# Altium PCB volt_sensor_breakout.PcbDoc (part 1 of 2) (continued)
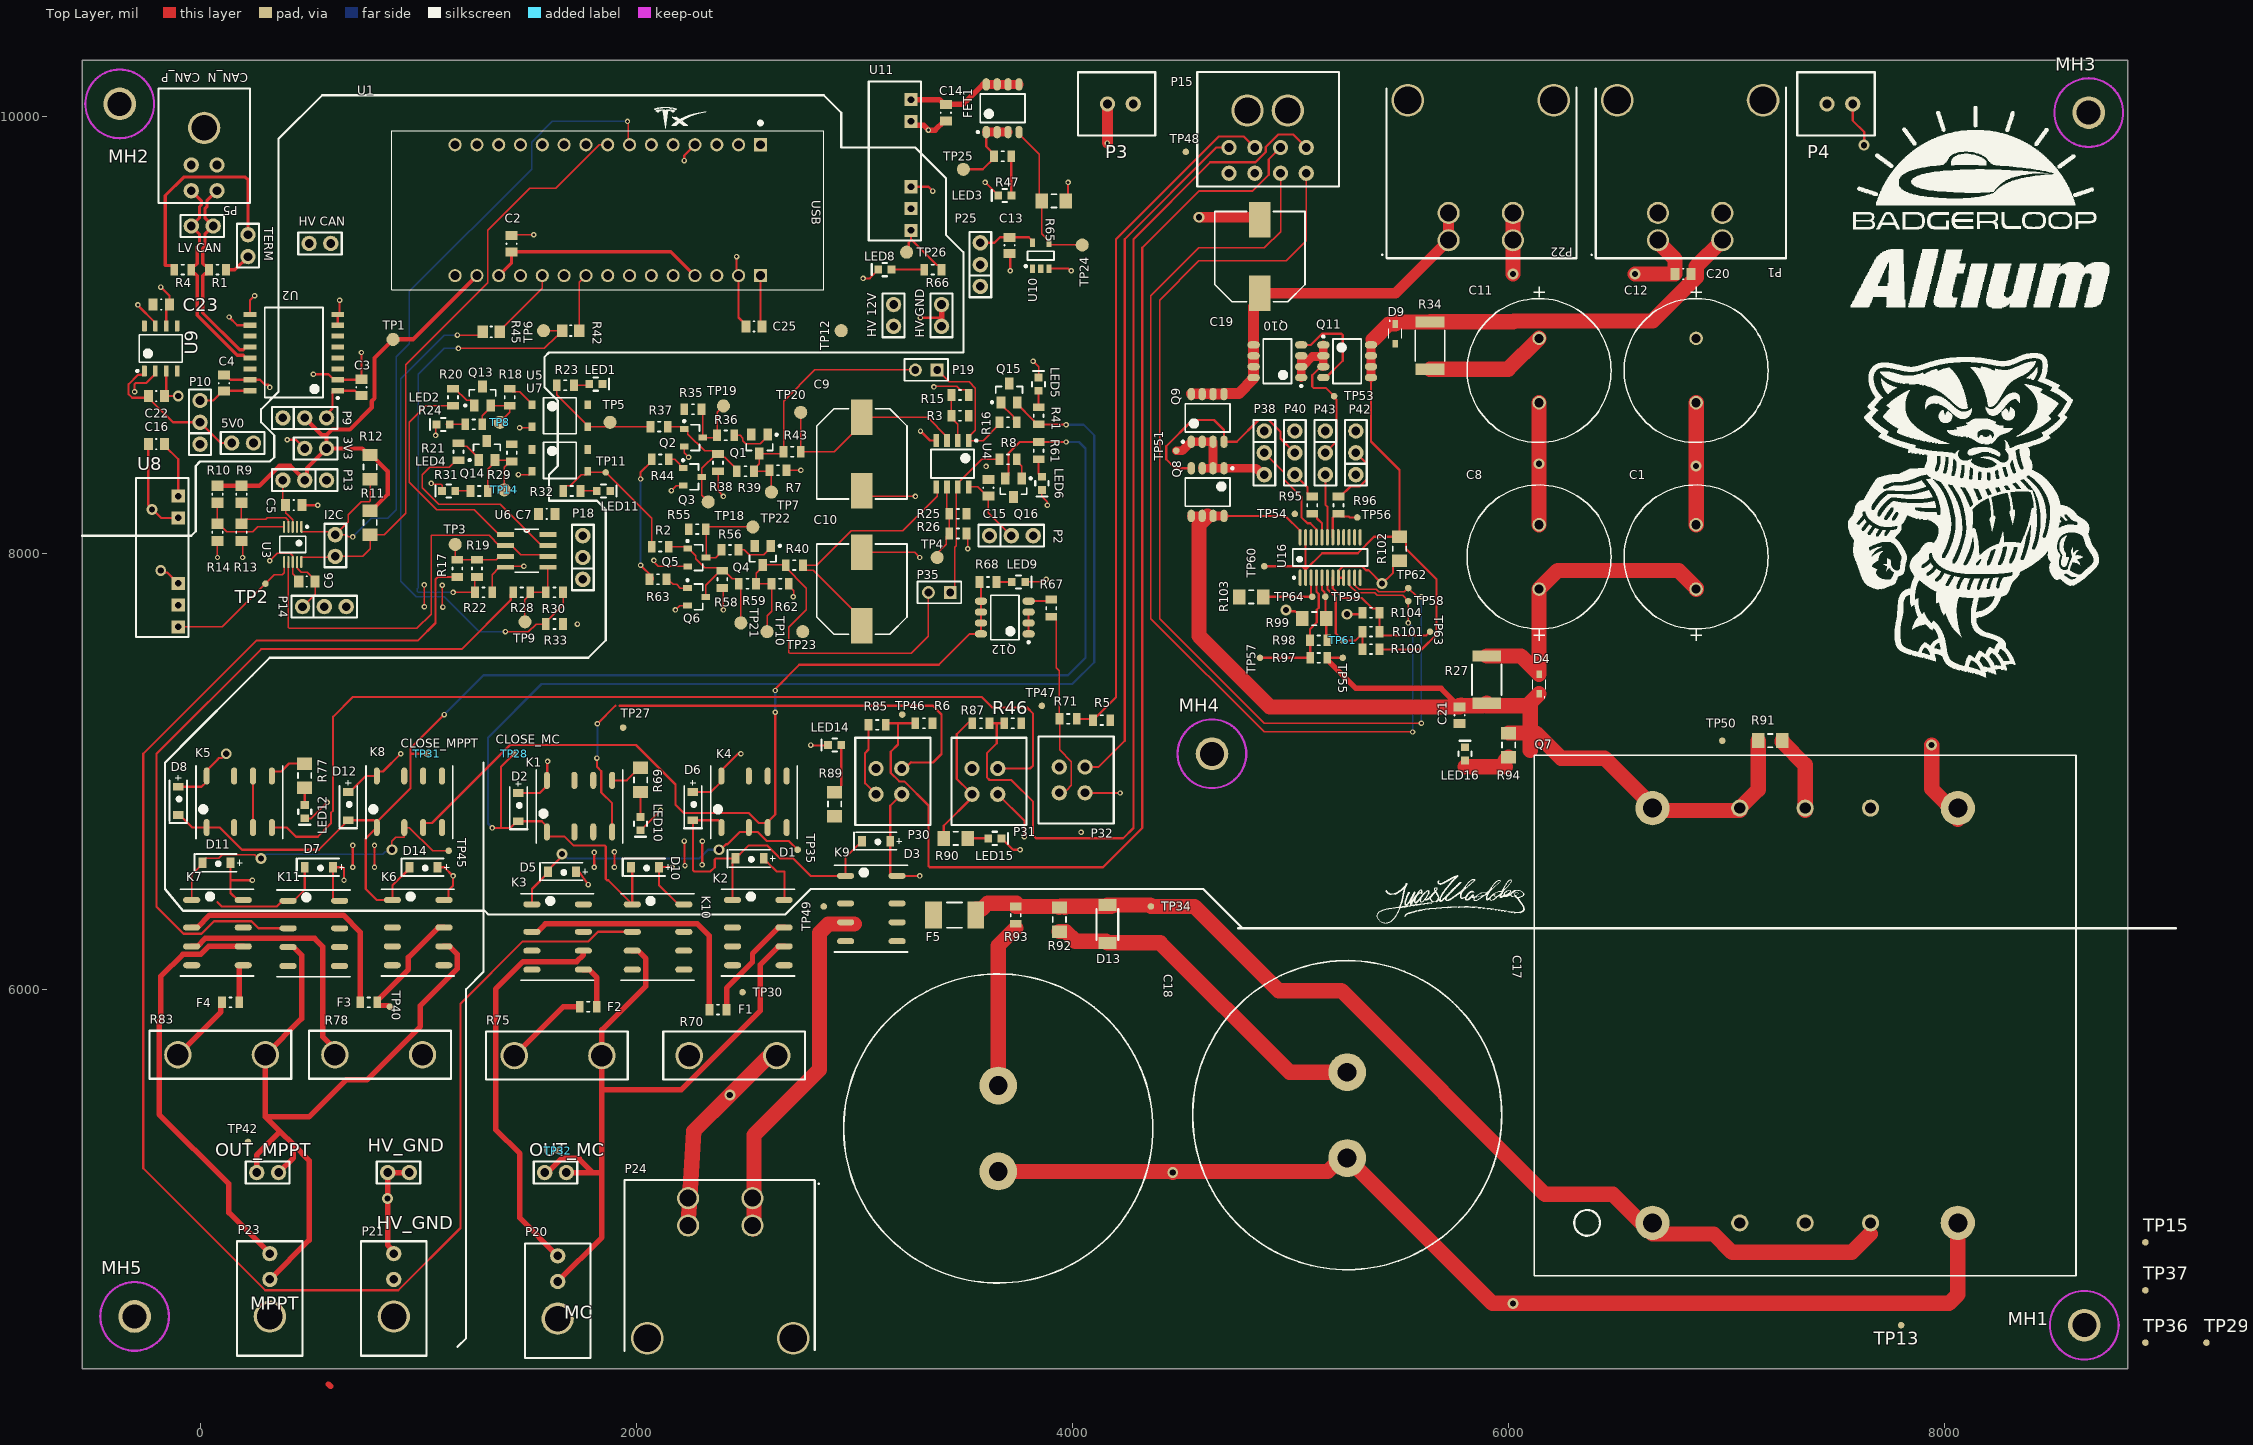
[diagram p0: Top Layer view]
## Part data (continued)
F5: Manufacturer=Bel, Supplier Part Number 1=507-2000-1-ND, Category=Fuses, ComponentLink1Description=https://datasheet.ciiva.com:443/pdfs/VipMasterIC/IC/BELF/BELF-S-A0001301144/BELF-S-A0001301144-1.pdf?src-supplier=IHS+Markit, ComponentLink1URL=https://datasheet.ciiva.com:443/pdfs/VipMasterIC/IC/BELF/BELF-S-A0001301144/BELF-S-A0001301144-1.pdf?src-supplier=IHS+Markit, ComponentLink2Description=http://www.belfuse.com/resources/CircuitProtection/datasheets/0679L%20Sep2016.pdf?src-supplier=Digi-Key, ComponentLink2URL=http://www.belfuse.com/resources/CircuitProtection/datasheets/0679L%20Sep2016.pdf?src-supplier=Digi-Key, ComponentLink3Description=https://www.belfuse.com/resources/CircuitProtection/datasheets/0679L%20Sep2016.pdf?src-supplier=Digi-Key, ComponentLink3URL=https://www.belfuse.com/resources/CircuitProtection/datasheets/0679L%20Sep2016.pdf?src-supplier=Digi-Key, Manufacturer Part Number=0679L9150-05, Pricing 1="1=0.44000, 5=0.42600, 10=0.41400, 50=0.34800, 100=0.28890, 250=0.26260, 500=0.22320, 1000=0.19695 (USD)", RoHS=Yes, Stock 1=24804, Supplier 1=Digi-Key
FET1: library part CMP-008-000012-3, "Transistor MOSFET P-Channel -60V ±11A 8-Pin SOP T/R", Transistor Type="P-channel MOSFET"
K1 K2 K3 K4 K5 K6 K7 K8 K10 K11: "Electromechanical Relay, DPDT, 140mW (Coil), 5A (Contact), 220VDC (Contact), Random, AC/DC Output", Coil Operate Voltage(DC)=9V, Coil Power=140mW, Coil Release Voltage(DC)=1.2V, Coil Resistance=1.029kR, Coil Voltage-Nom=12V, Contact AC Max Power Rating R Load=62.5VA@250VAC, Contact AC Max Rating R Load=5A@250VAC, Contact Current(AC)-Max=5A, Contact DC Max Power Rating R Load=60W@220VDC, Contact DC Max Rating R Load=5A@220VDC, Contact Resistance=50mR, Contact Voltage(AC)-Max=250V, Contact Voltage(DC)-Max=220V, Dielectric Strength Between Coil and Contacts=1500Vrms, Dielectric Strength Between Open Contacts=750Vrms, Insulation Resistance=1GR, Manufacturer="TE Connectivity", Manufacturer Part Number=IM06DGR, Supplier Part Number 1=PB1174CT-ND, Body Breadth=6inch, Body Height=5.65mm, Body Length or Diameter=10mm, Category="Power Relays", Coil/Input Supply Type=DC, ComponentLink1Description=https://datasheet.ciiva.com:443/pdfs/VipMasterIC/IC/TYEL/TYELS75403/TYELS75403-1.pdf?src-supplier=IHS+Markit, ComponentLink1URL=https://datasheet.ciiva.com:443/pdfs/VipMasterIC/IC/TYEL/TYELS75403/TYELS75403-1.pdf?src-supplier=IHS+Markit, ComponentLink2Description=https://datasheet.ciiva.com/1662/13778-1662593.pdf?src-supplier=Newark, ComponentLink2URL=https://datasheet.ciiva.com/1662/13778-1662593.pdf?src-supplier=Newark, ComponentLink3Description=https://datasheet.ciiva.com/1525/1717896-1525047.pdf?src-supplier=Element14, ComponentLink3URL=https://datasheet.ciiva.com/1525/1717896-1525047.pdf?src-supplier=Element14, ComponentLink4Description=https://datasheet.ciiva.com/1612/1717896-1612285.pdf?src-supplier=Farnell, ComponentLink4URL=https://datasheet.ciiva.com/1612/1717896-1612285.pdf?src-supplier=Farnell, ComponentLink5Description=https://datasheet.ciiva.com/30159/customerdrawing1462037-4a10-30159339.pdf?src-supplier=Onlinecomponents.com, ComponentLink5URL=https://datasheet.ciiva.com/30159/customerdrawing1462037-4a10-30159339.pdf?src-supplier=Onlinecomponents.com, ComponentLink6Description=https://datasheet.ciiva.com/22697/1717896-22697038.pdf?src-supplier=Element14, ComponentLink6URL=https://datasheet.ciiva.com/22697/1717896-22697038.pdf?src-supplier=Element14, Contact Current(DC)-Max=5A, Contact/Output Supply Type=AC/DC, End Contact Material=Silver, End Contact Plating=Gold, Input Switching Control Type=Random, Number of Pins=8, Operate Time=3ms, Packaging="Tape and Reel", Pricing 1="1=5.59000, 10=5.24500, 25=4.66200, 50=4.42880, 100=4.19580, 250=3.72960, 500=3.49650 (USD)", REACH SVHC="No SVHC", Reference Standard=UL, Relay Form="2 FORM C", Relay Function=DPDT, RoHS=No, RoHS Compliant=No, Sealing=HERMETICAL, Stock 1=35148, Supplier 1=Digi-Key, Termination=Solder, Weight=0.75g
K9: library part CMP-004-00046-1, "Zener Diode, 62V V(Z), 5%, 5W, Silicon, Unidirectional", Case/Package=Isolated, Coil Operate Voltage(DC)=9V, Coil Power=140mW, Coil Release Voltage(DC)=1.2V, Coil Resistance=1.029kR, Coil Voltage-Nom=12V, Contact AC Max Power Rating R Load=62.5VA@250VAC, Contact AC Max Rating R Load=5A@250VAC, Contact Current(AC)-Max=5A, Contact DC Max Power Rating R Load=60W@220VDC, Contact DC Max Rating R Load=5A@220VDC, Contact Resistance=50mR, Contact Voltage(AC)-Max=250V, Contact Voltage(DC)-Max=220V, Dielectric Strength Between Coil and Contacts=1500Vrms, Dielectric Strength Between Open Contacts=750Vrms, Insulation Resistance=1GR, Manufacturer="TE Connectivity", Manufacturer Part Number=IM06DGR, Max Operating Temperature=200°C, Max Power Dissipation=5W, Min Operating Temperature=-65°C, Package Body Material=Plastic, Package Shape=Round, Package Style="LONG FORMMeter", Peak Reflow Temperature (Cel)=260°C, Reference Voltage-Nom=62V, Test Current=20mA, Time @ Peak Reflow Temperature-Max (s)=40s, Voltage Tol-Max=5%, Body Breadth=6inch, Body Height=5.65mm, Body Length or Diameter=10mm, Category="Power Relays", Coil/Input Supply Type=DC, ComponentLink1Description=https://datasheet.ciiva.com:443/pdfs/VipMasterIC/IC/TYEL/TYELS75403/TYELS75403-1.pdf?src-supplier=IHS+Markit, ComponentLink1URL=https://datasheet.ciiva.com:443/pdfs/VipMasterIC/IC/TYEL/TYELS75403/TYELS75403-1.pdf?src-supplier=IHS+Markit, ComponentLink2Description=https://datasheet.ciiva.com/1662/13778-1662593.pdf?src-supplier=Newark, ComponentLink2URL=https://datasheet.ciiva.com/1662/13778-1662593.pdf?src-supplier=Newark, ComponentLink3Description=https://datasheet.ciiva.com/1525/1717896-1525047.pdf?src-supplier=Element14, ComponentLink3URL=https://datasheet.ciiva.com/1525/1717896-1525047.pdf?src-supplier=Element14, ComponentLink4Description=https://datasheet.ciiva.com/1612/1717896-1612285.pdf?src-supplier=Farnell, ComponentLink4URL=https://datasheet.ciiva.com/1612/1717896-1612285.pdf?src-supplier=Farnell, ComponentLink5Description=https://datasheet.ciiva.com/30159/customerdrawing1462037-4a10-30159339.pdf?src-supplier=Onlinecomponents.com, ComponentLink5URL=https://datasheet.ciiva.com/30159/customerdrawing1462037-4a10-30159339.pdf?src-supplier=Onlinecomponents.com, ComponentLink6Description=https://datasheet.ciiva.com/22697/1717896-22697038.pdf?src-supplier=Element14, ComponentLink6URL=https://datasheet.ciiva.com/22697/1717896-22697038.pdf?src-supplier=Element14, ComponentLink7Description=https://datasheet.ciiva.com:443/pdfs/VipMasterIC/IC/ONSM/ONSMS36970/ONSMS36970-1.pdf?src-supplier=IHS+Markit, ComponentLink7URL=https://datasheet.ciiva.com:443/pdfs/VipMasterIC/IC/ONSM/ONSMS36970/ONSMS36970-1.pdf?src-supplier=IHS+Markit, ComponentLink8Description=https://datasheet.ciiva.com/895/1n5333b-d-895434.pdf?src-supplier=Digi-Key, ComponentLink8URL=https://datasheet.ciiva.com/895/1n5333b-d-895434.pdf?src-supplier=Digi-Key, ComponentLink9Description=https://datasheet.ciiva.com/26841/getdatasheetpartid-498049-26841989.pdf?src-supplier=Verical, ComponentLink9URL=https://datasheet.ciiva.com/26841/getdatasheetpartid-498049-26841989.pdf?src-supplier=Verical, ComponentLink10Description=https://datasheet.ciiva.com/8026/56785-8026956.pdf?src-supplier=Element14, ComponentLink10URL=https://datasheet.ciiva.com/8026/56785-8026956.pdf?src-supplier=Element14, ComponentLink11Description=https://datasheet.ciiva.com/16311/1n5333b-d-16311951.pdf?src-supplier=Future+Electronics, ComponentLink11URL=https://datasheet.ciiva.com/16311/1n5333b-d-16311951.pdf?src-supplier=Future+Electronics, Contact Current(DC)-Max=5A, Contact/Output Supply Type=AC/DC, Design Item ID=1-1462039-8, Diode Element Material=SILICON, Diode Type=ZENER, Dynamic Impedance-Max=42R, End Contact Material=Silver, End Contact Plating=Gold, Input Switching Control Type=Random, JESD-30 Code=O-PALF-W2, JESD-609 Code=e3, Number of Elements=1, Operate Time=3ms, Packaging="Tape and Reel", Pins=8, Polarity=Unidirectional, Pricing 1="1=5.59000, 10=5.24500, 25=4.66200, 50=4.42880, 100=4.19580, 250=3.72960, 500=3.49650 (USD)", Pricing 2="1=0.29200, 10=0.26520, 100=0.19400, 500=0.18170, 1000=0.13380, 2000=0.12160, 5000=0.12040, 10000=0.11910 (USD)", Qualification Status="Not Qualified", REACH SVHC="No SVHC", Reference Standard=UL, Relay Form="2 FORM C", Relay Function=DPDT, RoHS=No, RoHS Compliant=No, Sealing=HERMETICAL, Source=misc.SchLib, Stock 1=35148, Stock 2=6890, Surface Mount=No, Technology=ZENER, Terminal Finish=Tin, Terminal Form=Wire, Terminal Position=AXIAL, Termination=Solder, Weight=0.75g
LED1 LED2 LED3 LED4 LED5 LED6 LED8 LED9 LED11: library part CMP-040-000018-1, "A-0603UOC", Color=ORANGE, Manufacturer="Lighthouse LEDs", Package / Case=0603, Availability="In Stock", ComponentLink1Description=Manufacturer, ComponentLink1URL=https://lighthouseleds.com/0603-smd-led-orange-ultra-bright-170-mcd.html, Datasheets=https://lighthouseleds.com/downloads/dl/file/id/11/0603_orange_amber_smd_led_datasheet.pdf, Design Item ID="LED ORANGE 0603", Manufacturer P/N=A-0603UOC, Minimum Quantity=1, Source=misc.SchLib
LED10 LED12 LED14 LED15 LED16: Color=GREEN, Manufacturer="Lite-On Inc.", Manufacturer P/N=LTST-C190KGKT, Package / Case=0603, Digikey P/N=160-1435-1-ND
MH1 MH2 MH3 MH4 MH5: library part CMP-008-000008-1, Design Item ID="Mounting Hole", Source=Schlib1.SchLib
P1 P22 P24: "Conn Power HDR 2 POS 7.49mm Solder RA Thru-Hole 4 Terminal 1 Port Sabre™ Tray", Color=Black, Contact Resistance=30mR, Current Rating=18A, Manufacturer=Molex, Max Operating Temperature=75°C, Min Operating Temperature=-40°C, Package Quantity=525, Supplier Part Number 1=WM13983-ND, Voltage Rating=600V, ComponentLink1Description=https://www.verical.com/server-webapp/html/getDatasheet?partID=198412&src-supplier=Verical, ComponentLink1URL=https://www.verical.com/server-webapp/html/getDatasheet?partID=198412&src-supplier=Verical, ComponentLink2Description=http://components.arrow.com/part/dataview/2942820S6220968N3303?src-supplier=Arrow, ComponentLink2URL=http://components.arrow.com/part/dataview/2942820S6220968N3303?src-supplier=Arrow, ComponentLink3Description=http://www.molex.com/pdm_docs/ps/PSX-43335-9999.pdf?src-supplier=Digi-Key, ComponentLink3URL=http://www.molex.com/pdm_docs/ps/PSX-43335-9999.pdf?src-supplier=Digi-Key, Contact Material=Brass, Contact Plating=Tin,Copper, Depth=19.79mm, Fastening Type=Ramp, Housing Color=Black, Housing Material=Nylon, Insulation Material=Nylon, Length=21.08mm, Manufacturer Part Number=0431605302, Mount="Through Hole", Number of Contacts=2, Number of Ports=1, Number of Positions=2, Number of Rows=1, Number of Terminals=4, Orientation="Right Angle", Packaging=Tray, Pitch=7.49mm, Stock 1=0, Supplier 1=Digi-Key, Termination=Solder
P2 P9 P10 P13 P14 P18 P25 P38 P40 P42 P43: library part CMP-002-00073-1, "Header, 3-Pin", Design Item ID="Header 3", LatestRevisionDate=17-Jul-2002, LatestRevisionNote="Re-released for DXP Platform.", Publisher="Altium Limited", Source=connector.SchLib, Type=Connector
P3 P4: "Board Connector, 2 Contact(s), 2 Row(s), Male, Straight, Solder Terminal, Locking, Black Insulator, Receptacle", Contact Resistance=10mR, Flammability Rating="UL94 V-0", Insulation Color=Black, Insulation Resistance=1GR, Manufacturer=Molex, Max Operating Temperature=105°C, Min Operating Temperature=-40°C, Rated Current (Signal)=2.5A, Supplier Part Number 1=WM10657-ND, Board Mounting Option=PEG, Body Breadth=0.29inch, Body Depth=0.39inch, Body Length=0.262inch, Body/Shell Style=RECEPTACLE, Category="Headers and Wire Housings", ComponentLink1Description=https://datasheet.ciiva.com:443/pdfs/VipMasterIC/IC/MOLE/MOLE-S-A0001360181/MOLE-S-A0001399497-1.pdf?src-supplier=IHS+Markit, ComponentLink1URL=https://datasheet.ciiva.com:443/pdfs/VipMasterIC/IC/MOLE/MOLE-S-A0001360181/MOLE-S-A0001399497-1.pdf?src-supplier=IHS+Markit, ComponentLink2Description=https://datasheet.ciiva.com/5148/0430450227-pcb-headers-142611-5148694.pdf?src-supplier=Mouser, ComponentLink2URL=https://datasheet.ciiva.com/5148/0430450227-pcb-headers-142611-5148694.pdf?src-supplier=Mouser, ComponentLink3Description=https://datasheet.ciiva.com/16103/307170430450227-pcb-headers-16103122.pdf?src-supplier=Onlinecomponents.com, ComponentLink3URL=https://datasheet.ciiva.com/16103/307170430450227-pcb-headers-16103122.pdf?src-supplier=Onlinecomponents.com, ComponentLink4Description=https://datasheet.ciiva.com/11752/0900766b80d4a80b-11752890.pdf?src-supplier=RSComponents, ComponentLink4URL=https://datasheet.ciiva.com/11752/0900766b80d4a80b-11752890.pdf?src-supplier=RSComponents, ComponentLink5Description=https://datasheet.ciiva.com/30256/212010430450227-pcb-headers-30256881.pdf?src-supplier=Onlinecomponents.com, ComponentLink5URL=https://datasheet.ciiva.com/30256/212010430450227-pcb-headers-30256881.pdf?src-supplier=Onlinecomponents.com, ComponentLink6Description=https://datasheet.ciiva.com/16725/0430450227-pcb-headers-16725483.pdf?src-supplier=Avnet+Europe, ComponentLink6URL=https://datasheet.ciiva.com/16725/0430450227-pcb-headers-16725483.pdf?src-supplier=Avnet+Europe, ComponentLink7Description=https://datasheet.ciiva.com/10089/0430450227-pcb-headers-10089453.pdf?src-supplier=Avnet, ComponentLink7URL=https://datasheet.ciiva.com/10089/0430450227-pcb-headers-10089453.pdf?src-supplier=Avnet, Connector Type="BOARD CONNECTOR", Contact Finish - Mating="TIN (100) OVER NICKEL", Contact Finish - Termination="TIN (100) OVER NICKEL", Contact Gender=Male, Contact Material=Brass, Contact Style="SQ PIN-SKT", DIN Conformance=No, Filter Feature=No, IEC Conformance=No, Insertion Force-Max=8.0064N, Insulation Material=Polymer, JESD-609 Code=e3, Manufacturer Part Number=43045-0227, Mating Information="MULTIPLE MATING PARTS AVAILABLE", MIL Conformance=No, Mixed Contacts=No, Mount=Board, Mounting Option 1=LOCKING, Mounting Style=STRAIGHT, Number Of Connectors=1, Number of Contacts=2, Number of Rows Loaded=2, Option="General Purpose", Plating Thickness=6uin, Pricing 1="1=0.97000, 10=0.80600, 80=0.67200, 945=0.53760, 2400=0.48720 (USD)", REACH SVHC=Yes, Reference Standard=UL, Reliability=COMMERCIAL, RoHS=Yes, RoHS Compliant=Yes, Stock 1=12970, Supplier 1=Digi-Key, Terminal Length=0.125inch, Terminal Pitch=3mm, Termination=Solder, Throw Configuration=S0P2, Withdrawl Force-Min=3.5584N
P5: library part CMP-002-00097-1, "Male connector dual row 90° 3 mm Pole no. 2x2 Micro-Fit, 43045-0400, Molex", Color=Black, Contact Resistance=10mR, Flammability Rating="UL94 V-0", Manufacturer=Molex, Max Operating Temperature=105°C, Min Operating Temperature=-40°C, Voltage Rating=250V, ComponentLink1Description=https://datasheet.ciiva.com/712/430450200-sd-712017.pdf?src-supplier=Digi-Key, ComponentLink1URL=https://datasheet.ciiva.com/712/430450200-sd-712017.pdf?src-supplier=Digi-Key, ComponentLink2Description=https://datasheet.ciiva.com/20209/22-3744e-20209522.pdf?src-supplier=Rapid+Electronics, ComponentLink2URL=https://datasheet.ciiva.com/20209/22-3744e-20209522.pdf?src-supplier=Rapid+Electronics, ComponentLink3Description=https://datasheet.ciiva.com/11746/0900766b80027348-11746988.pdf?src-supplier=RSComponents, ComponentLink3URL=https://datasheet.ciiva.com/11746/0900766b80027348-11746988.pdf?src-supplier=RSComponents, ComponentLink4Description=https://datasheet.ciiva.com/30193/145420430450400-pcb-headers-30193310.pdf?src-supplier=Onlinecomponents.com, ComponentLink4URL=https://datasheet.ciiva.com/30193/145420430450400-pcb-headers-30193310.pdf?src-supplier=Onlinecomponents.com, Connector Type="Male Pin", Contact Material=Brass, Contact Plating=Tin, Depth=12.2mm, Design Item ID=43045-0400, Fastening Type=Ramp, Housing Color=Black, Housing Material=Polymer, Length=10.15mm, Manufacturer Part Number=43045-0400, Mount="Through Hole", Number of Contacts=4, Number of Positions=4, Number of Rows=2, Orientation="Right Angle", Packaging=Tray, Pitch=3mm, Pricing 1="1=1.33000, 10=1.16700, 100=1.00670, 500=0.82368, 1000=0.73216, 5000=0.64064, 10000=0.60861 (USD)", RoHS=Yes, Row Spacing=0.118inch, Source=connector.SchLib, Stock 1=5904, Termination=Solder
P15: library part CMP-002-00099-1, "CONN HEADER R/A 8POS 3MM", Case/Package=SMC, Color=Black, Contact Resistance=10mR, Current Rating=5A, Flammability Rating="UL94 V-0", Insulation Resistance=1GR, Manufacturer=Molex, Max Operating Temperature=105°C, Max Voltage Rating (DC)=250.25kV, Min Operating Temperature=-40°C, Package Quantity=1440, Voltage Rating=600V, Voltage Rating (AC)=250V, Approvals=UL,CSA,TUV, ComponentLink1Description=https://datasheet.ciiva.com/5158/0430450800-pcb-headers-142625-5158817.pdf?src-supplier=Mouser, ComponentLink1URL=https://datasheet.ciiva.com/5158/0430450800-pcb-headers-142625-5158817.pdf?src-supplier=Mouser, ComponentLink2Description=https://datasheet.ciiva.com/7683/27645-7683683.pdf?src-supplier=Element14, ComponentLink2URL=https://datasheet.ciiva.com/7683/27645-7683683.pdf?src-supplier=Element14, ComponentLink3Description=https://datasheet.ciiva.com/19462/883536-19462164.pdf?src-supplier=Jameco, ComponentLink3URL=https://datasheet.ciiva.com/19462/883536-19462164.pdf?src-supplier=Jameco, ComponentLink4Description=https://datasheet.ciiva.com/11751/0900766b80027348-11751142.pdf?src-supplier=RSComponents, ComponentLink4URL=https://datasheet.ciiva.com/11751/0900766b80027348-11751142.pdf?src-supplier=RSComponents, ComponentLink5Description=https://datasheet.ciiva.com/30198/267770430450800-pcb-headers-30198875.pdf?src-supplier=Onlinecomponents.com, ComponentLink5URL=https://datasheet.ciiva.com/30198/267770430450800-pcb-headers-30198875.pdf?src-supplier=Onlinecomponents.com, ComponentLink6Description=https://datasheet.ciiva.com/1443/1850016-1443537.pdf?src-supplier=Element14, ComponentLink6URL=https://datasheet.ciiva.com/1443/1850016-1443537.pdf?src-supplier=Element14, ComponentLink7Description=https://datasheet.ciiva.com/14155/04402310-14155206.pdf?src-supplier=Distrelec, ComponentLink7URL=https://datasheet.ciiva.com/14155/04402310-14155206.pdf?src-supplier=Distrelec, ComponentLink8Description=https://datasheet.ciiva.com/16657/0430450800-pcb-headers-16657964.pdf?src-supplier=Avnet+Europe, ComponentLink8URL=https://datasheet.ciiva.com/16657/0430450800-pcb-headers-16657964.pdf?src-supplier=Avnet+Europe, ComponentLink9Description=https://datasheet.ciiva.com/10087/0430450800-pcb-headers-10087853.pdf?src-supplier=Avnet, ComponentLink9URL=https://datasheet.ciiva.com/10087/0430450800-pcb-headers-10087853.pdf?src-supplier=Avnet, Contact Material=Brass,Tin, Contact Plating=Tin, Depth=12.2mm, Design Item ID=43045-0800, Diameter=3mm, Gender=Male, Glow Wire Compliant=Compliant, Halogen Free="Low Halogen", Height=8.77mm, Housing Color=Black, Housing Material=Thermoplastic, Lead Free="Lead Free", Length=16.15mm, Manufacturer Part Number=43045-0800, Material=Polyester, Max Current Rating=5A, Mount="Through Hole", Number of Circuits=8, Number of Contacts=8, Number of Poles=8, Number of Positions=8, Number of Rows=2, Orientation="Right Angle", Packaging=Tray, Pitch=3mm, Pricing 1="1=1.91000, 10=1.73100, 100=1.48390, 500=1.23656, 1000=1.05990, 5000=0.93978, 10000=0.91858 (USD)", Radiation Hardening=No, REACH SVHC=Unknown, RoHS=Yes, Row Spacing=3mm, Source=connector.SchLib, Stock 1=2632, Termination=Solder, Voltage Rating (DC)=250V, Working Voltage=250V
P19 P35: "Header, 2-Pin", LatestRevisionDate=17-Jul-2002, LatestRevisionNote="Re-released for DXP Platform.", Publisher="Altium Limited"
P20 P21 P23: library part CMP-002-00095-1, "CONN HEADER R/A 2POS", Case/Package=SMC, Color=Black, Contact Resistance=10mR, Current Rating=5A, Flammability Rating="UL94 V-0", Insulation Resistance=1GR, Manufacturer=Molex, Max Operating Temperature=105°C, Max Voltage Rating (DC)=250.25kV, Min Operating Temperature=-40°C, Package Quantity=3168, Voltage Rating=600V, Voltage Rating (DC)=250V, Approvals=UL,CSA,TUV, ComponentLink1Description=https://datasheet.ciiva.com/14155/04402310-14155203.pdf?src-supplier=Distrelec, ComponentLink1URL=https://datasheet.ciiva.com/14155/04402310-14155203.pdf?src-supplier=Distrelec, ComponentLink2Description=https://datasheet.ciiva.com/19454/883270-19454006.pdf?src-supplier=Jameco, ComponentLink2URL=https://datasheet.ciiva.com/19454/883270-19454006.pdf?src-supplier=Jameco, ComponentLink3Description=https://datasheet.ciiva.com/5150/0430450200-pcb-headers-145770-5150407.pdf?src-supplier=Mouser, ComponentLink3URL=https://datasheet.ciiva.com/5150/0430450200-pcb-headers-145770-5150407.pdf?src-supplier=Mouser, ComponentLink4Description=https://datasheet.ciiva.com/11747/0900766b80027348-11747001.pdf?src-supplier=RSComponents, ComponentLink4URL=https://datasheet.ciiva.com/11747/0900766b80027348-11747001.pdf?src-supplier=RSComponents, ComponentLink5Description=https://datasheet.ciiva.com/16656/0430450200-pcb-headers-16656330.pdf?src-supplier=Avnet+Europe, ComponentLink5URL=https://datasheet.ciiva.com/16656/0430450200-pcb-headers-16656330.pdf?src-supplier=Avnet+Europe, ComponentLink6Description=https://datasheet.ciiva.com/10090/0430450200-pcb-headers-10090299.pdf?src-supplier=Avnet, ComponentLink6URL=https://datasheet.ciiva.com/10090/0430450200-pcb-headers-10090299.pdf?src-supplier=Avnet, ComponentLink7Description=https://datasheet.ciiva.com/36854/124280430450200-pcb-headers-36854331.pdf?src-supplier=Onlinecomponents.com, ComponentLink7URL=https://datasheet.ciiva.com/36854/124280430450200-pcb-headers-36854331.pdf?src-supplier=Onlinecomponents.com, ComponentLink8Description=https://datasheet.ciiva.com/1443/1859921-1443437.pdf?src-supplier=Element14, ComponentLink8URL=https://datasheet.ciiva.com/1443/1859921-1443437.pdf?src-supplier=Element14, Contact Gender=Male, Contact Material=Brass,Tin, Contact Plating=Tin, Design Item ID=43045-0200, Diameter=3mm, Gender=Male, Glow Wire Compliant=Compliant, Halogen Free="Low Halogen", Housing Color=Black, Housing Material=Thermoplastic, Lead Free="Lead Free", Manufacturer Part Number=43045-0200, Material=Thermoplastic, Mount="Through Hole", Number of Circuits=2, Number of Contacts=2, Number of Positions=2, Number of Rows=2, Orientation="Right Angle", Packaging=Tray, Pitch=3mm, Pricing 1="1=0.97000, 10=0.84900, 100=0.73280, 500=0.59958, 1000=0.53296, 5000=0.46634, 10000=0.44302 (USD)", Radiation Hardening=No, REACH SVHC=Unknown, RoHS=Yes, Row Spacing=3mm, Source=connector.SchLib, Stock 1=6320, Termination="Through Hole"
P30 P31 P32: "Board Connector, 4 Contact(s), 2 Row(s), Male, Straight, Solder Terminal, Locking, Black Insulator, Receptacle", Contact Resistance=10mR, Flammability Rating="UL94 V-0", Insulation Color=Black, Insulation Resistance=1GR, Manufacturer=Molex, Max Operating Temperature=105°C, Min Operating Temperature=-40°C, Rated Current (Signal)=2.5A, Supplier Part Number 1=WM10667-ND, Board Mounting Option=PEG, Body Breadth=0.29inch, Body Depth=0.39inch, Body Length=0.38inch, Body/Shell Style=RECEPTACLE, Category="Headers and Wire Housings", ComponentLink1Description=https://datasheet.ciiva.com:443/pdfs/VipMasterIC/IC/MOLE/MOLE-S-A0001360181/MOLE-S-A0001399497-1.pdf?src-supplier=IHS+Markit, ComponentLink1URL=https://datasheet.ciiva.com:443/pdfs/VipMasterIC/IC/MOLE/MOLE-S-A0001360181/MOLE-S-A0001399497-1.pdf?src-supplier=IHS+Markit, ComponentLink2Description=https://datasheet.ciiva.com/5148/0430450427-pcb-headers-142988-5148953.pdf?src-supplier=Mouser, ComponentLink2URL=https://datasheet.ciiva.com/5148/0430450427-pcb-headers-142988-5148953.pdf?src-supplier=Mouser, ComponentLink3Description=https://datasheet.ciiva.com/11748/0900766b80d4a80b-11748554.pdf?src-supplier=RSComponents, ComponentLink3URL=https://datasheet.ciiva.com/11748/0900766b80d4a80b-11748554.pdf?src-supplier=RSComponents, ComponentLink4Description=https://datasheet.ciiva.com/30143/176090430450427-pcb-headers-30143652.pdf?src-supplier=Onlinecomponents.com, ComponentLink4URL=https://datasheet.ciiva.com/30143/176090430450427-pcb-headers-30143652.pdf?src-supplier=Onlinecomponents.com, ComponentLink5Description=https://datasheet.ciiva.com/16725/0430450427-pcb-headers-16725499.pdf?src-supplier=Avnet+Europe, ComponentLink5URL=https://datasheet.ciiva.com/16725/0430450427-pcb-headers-16725499.pdf?src-supplier=Avnet+Europe, ComponentLink6Description=https://datasheet.ciiva.com/10088/0430450427-pcb-headers-10088767.pdf?src-supplier=Avnet, ComponentLink6URL=https://datasheet.ciiva.com/10088/0430450427-pcb-headers-10088767.pdf?src-supplier=Avnet, Connector Type="BOARD CONNECTOR", Contact Finish - Mating="TIN (100) OVER NICKEL", Contact Finish - Termination="TIN (100) OVER NICKEL", Contact Gender=Male, Contact Material=Brass, Contact Style="SQ PIN-SKT", DIN Conformance=No, Filter Feature=No, IEC Conformance=No, Insertion Force-Max=8.0064N, Insulation Material=Polymer, JESD-609 Code=e3, Manufacturer Part Number=43045-0427, Mating Information="MULTIPLE MATING PARTS AVAILABLE", MIL Conformance=No, Mixed Contacts=No, Mount=Board, Mounting Option 1=LOCKING, Mounting Style=STRAIGHT, Number Of Connectors=1, Number of Contacts=4, Number of Rows Loaded=2, Option="General Purpose", Plating Thickness=6uin, Pricing 1="1=1.45000, 10=1.23200, 80=1.01750, 2232=0.77647, 4464=0.74970 (USD)", REACH SVHC=Yes, Reference Standard=UL, Reliability=COMMERCIAL, RoHS=Yes, RoHS Compliant=Yes, Stock 1=18088, Supplier 1=Digi-Key, Terminal Length=0.125inch, Terminal Pitch=3mm, Termination=Solder, Throw Configuration=S0P4, Withdrawl Force-Min=3.5584N
Q1 Q4: library part CMP-013-00008-2, "PNP General-Purpose Amplifier, 40 V, 0.2 A, -55 to 150 degC, 3-Pin SOT23, RoHS, Tape and Reel", Case/Package=TO-236-3, Frequency=250MHz, Manufacturer=Fairchild, Max Operating Temperature=150°C, Min Operating Temperature=-55°C, Package Description="3-Pin Small Outline Transistor, Body 2.92 x 1.325 mm, Pitch 0.95 mm", Package Quantity=3000, Package Reference=SOT23-3, Package Version="Rev. 12, 03/2016", Power=350mW, Datasheet URL=https://www.fairchildsemi.com/datasheets/MM/MMBT3906.pdf, Datasheet Version="Rev. 1.2.2, 04/2014", Elements=1, hFE Min=100, Mounting Technology=SM, Packaging=TapeandReel, Pins=3, RoHS Compliant=True, Vce Max=400mV
Q2 Q3 Q5 Q6: library part CMP-040-000001-1, "Small Signal Bipolar Transistor, 0.5A I(C), 45V V(BR)CEO, 1-Element, NPN, Silicon", Collector-base Capacitance-Max=4.5pF, Collector-emitter Voltage-Max=45V, DC Current Gain-Min (hFE)=100, Manufacturer="ON Semiconductor / Fairchild", Max Collector Current=500mA, Max Operating Temperature=150°C, Package Body Material=Plastic, Package Shape=Rectangular, Package Style="SMALL OUTLINEMeter", Power Dissipation-Max (Abs)=350mW, Transition Frequency-Nom (fT)=250MHz, Category=BJTs, ComponentLink1Description=https://datasheet.ciiva.com:443/pdfs/VipMasterIC/IC/ONSM/ONSM-S-A0003589371/ONSM-S-A0003589371-1.pdf?src-supplier=IHS+Markit, ComponentLink1URL=https://datasheet.ciiva.com:443/pdfs/VipMasterIC/IC/ONSM/ONSM-S-A0003589371/ONSM-S-A0003589371-1.pdf?src-supplier=IHS+Markit, ComponentLink2Description=https://datasheet.ciiva.com/4721/mmbt100-196018-4721422.pdf?src-supplier=Mouser, ComponentLink2URL=https://datasheet.ciiva.com/4721/mmbt100-196018-4721422.pdf?src-supplier=Mouser, ComponentLink3Description=https://datasheet.ciiva.com/11206/pn100a-11206125.pdf?src-supplier=Avnet, ComponentLink3URL=https://datasheet.ciiva.com/11206/pn100a-11206125.pdf?src-supplier=Avnet, ComponentLink4Description=https://datasheet.ciiva.com/26114/pn100a-26114236.pdf?src-supplier=Avnet+Europe, ComponentLink4URL=https://datasheet.ciiva.com/26114/pn100a-26114236.pdf?src-supplier=Avnet+Europe, ComponentLink5Description=https://datasheet.ciiva.com/11198/pn100a-11198959.pdf?src-supplier=Avnet, ComponentLink5URL=https://datasheet.ciiva.com/11198/pn100a-11198959.pdf?src-supplier=Avnet, ComponentLink6Description=https://datasheet.ciiva.com/6361/mmbt100-6361016.pdf?src-supplier=Digi-Key, ComponentLink6URL=https://datasheet.ciiva.com/6361/mmbt100-6361016.pdf?src-supplier=Digi-Key, ComponentLink7Description=https://datasheet.ciiva.com/6356/mmbt100-6356120.pdf?src-supplier=Digi-Key, ComponentLink7URL=https://datasheet.ciiva.com/6356/mmbt100-6356120.pdf?src-supplier=Digi-Key, ComponentLink8Description=https://datasheet.ciiva.com/6361/mmbt100-6361014.pdf?src-supplier=Digi-Key, ComponentLink8URL=https://datasheet.ciiva.com/6361/mmbt100-6361014.pdf?src-supplier=Digi-Key, Design Item ID=MMBT100, JESD-30 Code=R-PDSO-G3, Manufacturer Part Number=MMBT100, Moisture Sensitivity Level=1, Number of Elements=1, Number of Pins=3, Polarity/Channel Type=NPN, Pricing 1="1=0.35700, 5=0.35700, 10=0.24700, 100=0.10500 (USD)", Qualification Status="Not Qualified", REACH SVHC=Yes, RoHS=Yes, RoHS Compliant=Yes, Source=misc.SchLib, Stock 1=66397, Surface Mount=Yes, Terminal Form="Gull Wing", Terminal Position=DUAL, Transistor Application=AMPLIFIER, Transistor Element Material=SILICON, VCEsat-Max=200mV
Q7: "DC DC CONVERTER 12V 200W", Manufacturer=Recom, Manufacturer Part Number=RPA200H-11012SRUW/P, Supplier Part Number 1=919-RPA200H11012SRUP, Analog IC - Other Type="DC-DC REGULATED POWER SUPPLY MODULE", Category="Board Mount Modules", ComponentLink1Description=https://datasheet.ciiva.com:443/pdfs/VipMasterIC/IC/RECG/RECG-S-A0009169714/RECG-S-A0009169714-1.pdf?src-supplier=IHS+Markit, ComponentLink1URL=https://datasheet.ciiva.com:443/pdfs/VipMasterIC/IC/RECG/RECG-S-A0009169714/RECG-S-A0009169714-1.pdf?src-supplier=IHS+Markit, ComponentLink2Description=https://www.recom-power.com/pdf/Powerline_DC-DC/RPA200H-RUW.pdf?src-supplier=Digi-Key, ComponentLink2URL=https://www.recom-power.com/pdf/Powerline_DC-DC/RPA200H-RUW.pdf?src-supplier=Digi-Key, Pricing 1="1=233.71000, 10=229.93000, 50=229.93000, 100=229.93000, 1000=229.93000, 10000=229.93000 (USD)", REACH SVHC=Yes, RoHS=Yes, RoHS Compliant=Yes, Stock 1=1, Supplier 1=Mouser
Q8 Q9 Q10 Q11 Q12: library part CMP-008-000012-4, "Transistor MOSFET P-Channel -60V ±11A 8-Pin SOP T/R", Transistor Type="P-channel MOSFET"
  Q9 Q10: __ORIG_LIFECYCLESTATEGUID__=706004B5-C76E-482E-903B-BA0E4FAE086A
Q13 Q14 Q15 Q16: library part CMP-013-00021-4, "N-Channel Logic Level Enhancement Mode Field Effect Transistor, 220 mA, 50 V, -55 to 150 degC, 3-Pin SOT-23, RoHS, Tape and Reel", Case/Package=TO-236-3, Input Capacitance=27pF, Manufacturer=Fairchild, Max Operating Temperature=150°C, Min Operating Temperature=-55°C, Nominal Dual Supply Voltage=50V, Package Description="3-Pin Small Outline Transistor, Body 2.92 x 1.325 mm, Pitch 0.95 mm", Package Quantity=1, Package Reference=SOT23-3, Package Version="Rev. 12, 03/2016", Power=360mW, Resistance=0.7Ohm, Datasheet URL=https://www.fairchildsemi.com/datasheets/BS/BSS138.pdf, Datasheet Version="Rev. C, 10/2005", Elements=1, Mounting Technology=SM, Nominal Vgs=1.3V, Packaging=TapeandReel, Pins=3, Rds On Max=3.5Ohm, RoHS Compliant=True, Typical Rise Time=9ns